# Allegro board zp-dic_pda_8ch_board_v001_166_20241018_1809.brd (continued)
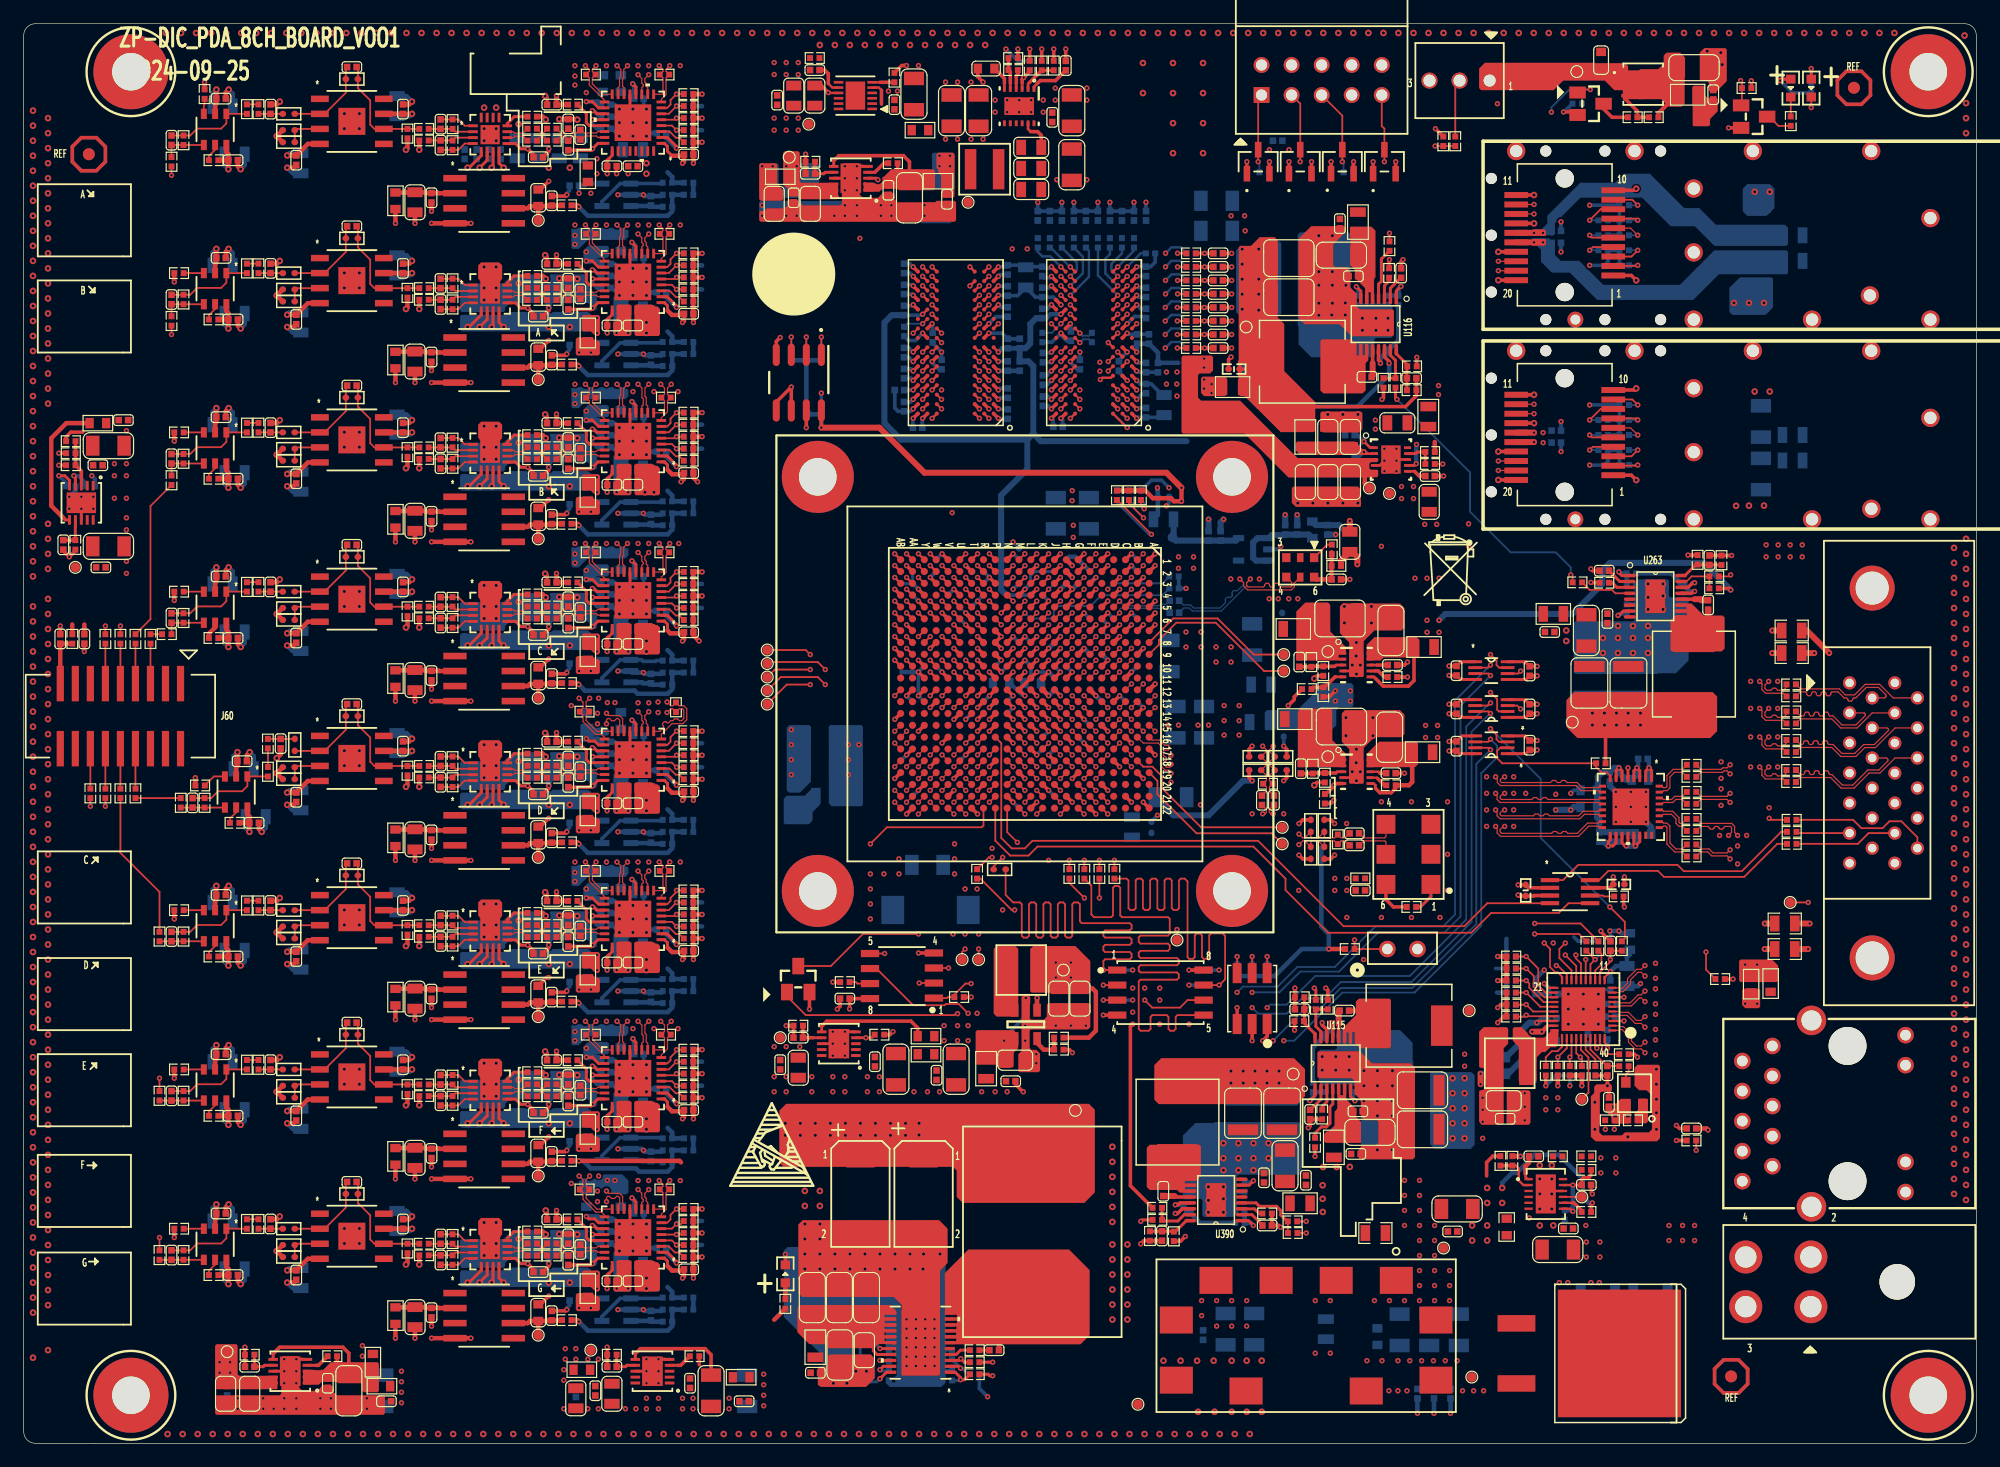
[diagram p0: board, top side]
## Copper pours and planes (outline as drawn; the poured copper is in the pictures) (continued)
GND_EARTH on GND07: 154.22,1.91 160.07,7.75 162.61,7.75 163.75,6.6 163.75,2.41 162.23,0.89 109.9,0.89 108.5,2.29 108.5,7.75 108.89,8.13 110.79,8.13 111.04,7.87 111.04,2.67 111.81,1.91
GND_FPGA_LAN on TOP: 152.45,20.45 152.45,19.05 152.07,18.67 149.4,18.67 149.19,18.88 149.19,34.88 147.24,36.83 147.24,38.35 147.37,38.48 151.56,38.48 152.32,37.72 152.32,35.05 151.68,34.42 151.68,21.21
VCC1V5 on TOP (solid shape): 105.94,101.73 105.96,101.73 105.96,95.17 106.52,94.62 106.52,90.63 109.14,88.01 109.14,85.6 109.01,85.47 106.22,85.47 103.17,88.52 102.79,88.52 102.66,88.65 102.66,90.3 103.3,90.3 103.3,91.31 102.66,91.31 102.66,101.09 102.79,101.22 103.7,101.22 104.44,101.96 105.71,101.96
VCC1V5 on BOTTOM (solid shape): 106.27,101.45 106.27,95.48 106.14,95.35 102.71,95.35 102.46,95.61 102.46,100.84 102.84,101.22 104.57,101.22 104.95,101.6 106.11,101.6
VCC1V5 on ART06: 102.54,101.85 108.12,101.85 108.38,101.6 108.38,85.34 108.12,85.09 103.42,85.09 102.41,86.11 102.41,101.73
VCC1V5_FPGA on TOP (solid shape): 101.65,90.04 101.65,88.65 101.52,88.52 99.74,88.52 99.49,88.77 99.49,90.04 99.61,90.17 101.52,90.17
VCC1V5_FPGA on BOTTOM: 90.98,76.33 91.11,76.45 91.11,77.98 90.85,78.23 86.15,78.23 86.03,78.11 86.03,76.45 86.15,76.33
VCC1V5_FPGA on BOTTOM: 79.42,61.85 80.44,62.87 80.44,68.83 80.31,68.96 77.9,68.96 76.88,69.98 74.09,69.98 73.96,69.85 73.96,66.04 74.09,65.91 75.74,65.91 76.25,66.42 77.64,66.42 77.9,66.17 77.9,63.88 76.25,62.23 76.25,61.98 76.37,61.85
VCC1V5_FPGA on POWR05: 74.09,101.85 102.99,101.85 103.73,101.11 103.73,88.77 96.31,81.36 96.31,70.36 95.93,69.98 77.13,69.98 76.24,69.09 76.24,65.28 75.87,64.9 69.52,64.9 66.98,67.44 66.98,78.74 69.13,80.9 69.13,96.9
VCC1V8 on BOTTOM (solid shape): 122.6,31.12 122.6,25.23 122.27,24.89 119.22,24.89 118.84,25.27 118.84,31.24 118.97,31.37 122.35,31.37
VCC1V8 on BOTTOM (solid shape): 67.28,55.25 67.28,53.98 66.67,53.37 66.67,52.66 66.34,52.32 64.36,52.32 64.23,52.45 64.23,54.48 64.48,54.74 66.01,54.74 66.64,55.37 67.15,55.37
VCC1V8 on BOTTOM (solid shape): 112.36,64.09 112.36,62.36 112.23,62.23 111.17,62.23 110.92,61.98 110.92,60.71 110.54,60.33 105.08,60.33 104.87,60.53 104.87,61.77 105.08,61.98 107.62,61.98 109.9,64.26 112.19,64.26
VCC1V8 on TOP: 118.58,37.21 118.58,25.54 118.59,25.53 118.59,25.01 118.84,24.77 122.22,24.77 122.6,25.15 122.6,37.21 122.09,37.72 119.09,37.72
VCC1V8 on TOP: 118.66,66.55 118.66,68.07 118.28,68.45 118.28,69.72 118.41,69.85 119.81,69.85 119.93,69.72 119.93,66.55 119.81,66.42 118.79,66.42
VCC1V8 on TOP: 118.54,57.66 118.54,59.18 118.16,59.56 118.16,60.83 118.28,60.96 119.68,60.96 119.81,60.83 119.81,57.66 119.68,57.53 118.66,57.53
VCC1V8 on BOTTOM: 106.09,116.97 106.35,117.22 108.38,117.22 108.63,116.97 108.63,109.22 108.5,109.09 106.22,109.09 106.09,109.22
VCC1V8 on BOTTOM: 124.43,32.16 124.43,33.4 124.17,33.66 124.17,37.21 124.43,37.47 124.68,37.47 124.81,37.59 124.81,40.39 124.68,40.51 124.43,40.51 124.3,40.64 124.3,41.4 125.25,42.35 131.05,42.35 132.51,43.82 135.43,43.82 135.81,44.2 135.81,45.34 135.56,45.59 134.92,45.59 134.41,45.09 131.75,45.09 129.97,46.86 127.09,46.86 127.07,46.84 125.88,46.84 124.76,45.72 124.76,44.53 122.47,42.24 122.47,36.28 118.92,32.72 118.92,28.58 119.05,28.45 119.93,28.45 120.57,29.08 122.22,29.08 122.6,29.46 122.6,31.37 123.24,32 124.27,32
VCC1V8 on BOTTOM: 64.69,44.07 64.69,50.29 67.36,52.96 67.36,55.37 67.23,55.5 66.59,55.5 65.83,54.74 61.26,54.74 61.01,54.48 61.01,40.77 69.39,32.39 69.64,32.39 71.67,30.35 98.09,30.35 98.73,30.99 98.73,41.02 98.47,41.28 93.39,41.28 93.26,41.15 93.26,36.45 91.23,34.42 82.72,34.42 82.22,34.93 82.22,36.83 80.95,38.1 70.66,38.1
VCC1V8 on POWR05: 105.58,117.73 104.82,116.97 104.82,88.27 97.46,80.9 97.46,46.36 92.63,41.53 92.63,34.8 93.52,33.91 108.5,33.91 117.27,25.15 122.09,25.15 122.09,83.44 118.79,86.74 118.79,108.59 125.01,114.81 146.22,114.81 146.48,115.06 146.48,117.48 146.22,117.73
VCC1V8_A on BOTTOM (solid shape): 50.57,22.73 50.59,22.73 50.61,22.72 51.09,22.24 51.1,22.22 51.1,22.2 51.1,21.23 51.1,21.21 51.09,21.19 50.99,21.1 50.97,21.09 50.95,21.08 49.74,21.08 49.71,21.09 49.7,21.1 49.64,21.18 49.64,21.2 49.64,21.21 49.42,21.69 48.92,21.56 48.91,21.55 48.89,21.54 48.79,21.54 48.76,21.54 48.76,21.55 48.31,21.63 48.15,21.21 48.15,21.2 48.15,21.18 48.09,21.1 48.07,21.09 48.05,21.08 47.06,21.08 47.04,21.09 47.02,21.1 46.92,21.19 46.91,21.21 46.91,21.23 46.91,22.12 46.91,22.13 46.92,22.15 46.96,22.18 46.98,22.19 47.16,22.25 47.29,22.4 47.31,22.41 47.34,22.42 47.43,22.42 47.45,22.41 47.47,22.4 47.8,22.19 48.16,22.36 48.16,22.37 48.18,22.38 48.29,22.38 48.31,22.37 48.32,22.36 48.72,22.26 48.94,22.62 48.95,22.65 49.01,22.72 49.02,22.73 49.04,22.73
VCC1V8_A on TOP: 66.21,33.78 64.56,33.78 64.44,33.91 64.44,34.8 64.31,34.93 63.29,34.93 63.17,34.8 63.17,32.26 63.29,32.13 67.74,32.13 67.86,32.26 67.86,33.27 67.74,33.4 66.59,33.4
VCC1V8_A on BOTTOM: 66.09,32.13 63.17,32.13 63.04,32.26 63.04,33.66 63.17,33.78 66.09,33.78 66.21,33.66 66.21,32.26
VCC1V8_A on BOTTOM: 50.97,61.47 51.1,61.6 51.1,62.61 50.59,63.12 47.42,63.12 46.91,62.61 46.91,61.6 47.04,61.47
VCC1V8_A on BOTTOM: 50.97,116.21 46.4,116.21 46.27,116.08 46.27,114.55 46.4,114.43 46.91,114.43 47.67,115.19 50.85,115.19 51.1,115.44 51.1,116.08
VCC1V8_A on ART08: 47.16,116.33 44.62,116.33 44.5,116.21 44.5,22.1 44.75,21.84 51.23,21.84 51.48,22.1 51.48,30.99 52.37,31.88 66.47,31.88 66.72,32.13 66.72,36.45 66.47,36.7 52.12,36.7 51.48,37.34 51.48,97.92 47.29,102.11 47.29,116.21
VCC1V8_FPGA on BOTTOM (solid shape): 70.91,60.58 70.91,53.98 70.79,53.85 68.29,53.85 68.04,54.1 68.04,60.58 68.17,60.71 70.79,60.71
VCC1V8_FPGA on ART06: 69.01,63.12 69.01,53.09 70.43,51.66 92.4,51.66 93.01,52.27 93.01,56.46 92.55,56.92 88.03,56.92 86.13,58.83 80.79,58.83 80.36,59.26 80.36,63.3 80.08,63.58 80.08,65.68 80.29,65.89 80.29,68 81.3,69.01 81.3,69.44 81.43,69.57 82.47,69.57 82.93,69.11 82.93,68.61 83.13,68.4 88.03,68.4 88.39,68.76 88.39,70.76 88.36,70.79 88.36,71.7 88.06,72.01 83.94,72.01 83.74,72.21 79.22,72.21 79.18,72.17 77.78,72.17 77.57,71.96 77.21,71.96 76.81,71.55 76.81,70.08 76.7,69.98 75.48,69.98 74.93,69.42 74.93,65.71 74.29,65.07 70.96,65.07
VCC2V5 on TOP (solid shape): 90.14,40.77 90.14,38.1 90.01,37.97 86.83,37.97 86.71,38.1 85.18,38.1 85.06,38.23 85.06,41.78 85.31,42.04 88.87,42.04
VCC2V5 on BOTTOM: 85.14,39.12 84.63,39.62 84.63,48.13 88.18,51.69 94.15,51.69 94.41,51.94 99.74,51.94 106.22,58.42 109.9,58.42 112.82,61.34 112.82,64.39 112.44,64.77 108,64.77 106.6,63.37 104.95,63.37 104.82,63.5 104.82,64.9 105.71,65.79 105.71,69.22 106.09,69.6 107.23,69.6 108.38,70.74 115.62,70.74 115.87,70.49 115.87,55.63 110.28,50.04 100.76,50.04 99.74,49.02 94.79,49.02 90.09,44.32 90.09,39.5 89.71,39.12
VCC2V5_AMP on BOTTOM: 17.57,4.57 16.3,4.57 16.18,4.7 16.18,6.99 16.3,7.11 17.57,7.11 17.7,6.99 17.7,4.7
VCC2V5_AMP on ART08: 19.6,6.1 19.6,110.24 19.35,110.49 11.73,110.49 11.48,110.24 11.48,5.97 11.73,5.72 19.22,5.72
VCC2V5_FPGA on BOTTOM: 72.12,52.51 71.8,52.83 71.8,61.34 72.06,61.6 77.64,61.6 78.15,61.09 86.28,61.09 86.28,62.23 87.68,63.63 87.68,64.01 89.2,65.53 93.54,65.53 93.93,65.15 94.41,65.15 95.04,65.79 98.39,65.79 100.17,67.56 100.17,67.61 100.25,67.69 104.57,67.69 104.82,67.44 104.82,66.04 104.06,65.28 104.06,63.5 103.93,63.37 96.19,63.37 95.93,63.12 95.93,59.94 96.31,59.56 96.31,53.72 96.06,53.47 95.17,53.47 94.53,52.83 94.53,52.77 94.28,52.51 ; 1 cut-out
VCC2V5_FPGA on ART06: 100.25,67.95 102.41,67.95 102.66,67.69 102.66,64.01 101.9,63.25 91.36,63.25 90.98,62.87 90.47,62.87 88.82,64.52 88.82,67.69 89.07,67.95 91.74,67.95 92.12,68.33 93.01,68.33 93.39,67.95 96.06,67.95 96.19,67.82 96.19,66.93 96.44,66.68 99.74,66.68 100.12,67.06 100.12,67.82
VCC3V3 on TOP (solid shape): 143.1,63.12 143.1,60.2 142.51,59.61 131.29,59.61 130.36,60.54 130.36,62.83 131.03,63.5 142.72,63.5
VCC3V3 on BOTTOM (solid shape): 137.13,63.5 137.13,60.07 136.88,59.82 131.46,59.82 131.16,60.12 131.16,61.65 130.65,62.15 130.65,63.25 131.03,63.63 137,63.63
VCC3V3 on TOP: 118,88.79 118,87.42 118.18,87.25 119.66,87.25 119.81,87.4 119.81,89.54 119.68,89.66 118.41,89.66 118.28,89.54 118.28,89.07
VCC3V3 on TOP: 76.5,33.4 76.5,31.37 76.63,31.24 77.52,31.24 77.64,31.37 77.64,32.13 77.9,32.39 79.93,32.39 80.06,32.51 80.06,35.43 79.93,35.56 78.53,35.56 78.41,35.43 78.41,34.04 77.9,33.53 76.63,33.53
VCC3V3 on TOP: 80.44,31.24 80.31,31.12 80.31,29.46 80.44,29.34 83.23,29.34 83.36,29.46 83.36,31.12 83.23,31.24
VCC3V3 on TOP: 30.02,8.13 30.02,7.24 29.89,7.11 28.37,7.11 28.24,7.24 28.24,8.38 28.37,8.51 29.64,8.51
VCC3V3 on TOP: 133.9,27.56 133.78,27.69 133.27,27.69 133.27,26.54 133.52,26.29 134.67,26.29 134.79,26.42 134.79,26.67 134.67,26.8 134.03,26.8 133.9,26.92
VCC3V3 on TOP: 110.66,48.13 110.54,48.01 110.54,47.5 110.66,47.37 112.7,47.37 112.82,47.5 112.82,48.01 112.7,48.13
VCC3V3 on BOTTOM: 150.29,103.38 154.61,103.38 155.88,102.11 155.88,76.96 151.81,72.9 147.24,72.9 146.99,73.15 146.99,76.96 150.03,80.01 150.03,103.12
VCC3V3 on BOTTOM: 110.28,48.26 111.93,48.26 117.01,53.34 117.01,72.77 116.12,73.66 112.7,73.66 112.19,74.17 112.19,78.36 112.44,78.61 117.39,78.61 119.17,76.84 119.17,69.6 119.68,69.09 127.81,69.09 129.97,66.93 129.97,64.64 130.98,63.63 136.95,63.63 137.08,63.5 137.08,60.07 136.83,59.82 129.21,59.82 125.27,63.75 125.27,65.53 124.63,66.17 120.06,66.17 119.68,65.79 119.68,52.71 114.09,47.12 110.28,47.12 110.16,47.24 110.16,48.13
VCC3V3 on POWR05: 152.32,76.58 146.14,70.4 146.14,47.86 141.52,43.24 141.52,25.78 141.02,25.27 139.24,25.27 138.98,25.53 123.11,25.53 122.73,25.91 122.73,83.95 119.3,87.38 119.3,108.08 121.59,110.36 147.37,110.36 148,111 148,115.44 148.26,115.7 151.68,115.7 152.32,115.06
VCC3V3 on ART06: 134.92,35.56 65.45,35.56 62.02,32.13 62.02,9.78 60.12,7.87 50.21,7.87 47.8,5.46 31.8,5.46 28.75,8.51 28.37,8.51 28.11,8.26 28.11,3.05 28.75,2.41 64.44,2.41 65.32,3.3 65.32,28.07 66.28,29.02 72.75,29.02 72.82,28.96 119.93,28.96 123.36,25.53 134.79,25.53 135.17,25.91 135.17,35.31
VCC5V5 on TOP (solid shape): 108.28,31.63 108.28,29.35 107.6,28.67 95.92,28.67 95.54,29.05 95.54,31.97 96.12,32.56 107.35,32.56
VCC5V5 on BOTTOM (solid shape): 107.47,32.05 107.47,30.53 107.98,30.02 107.98,28.93 107.6,28.54 101.63,28.54 101.51,28.67 101.51,32.1 101.76,32.35 107.17,32.35
VCC5V5 on TOP: 30.65,5.33 31.54,5.33 31.67,5.46 31.67,6.22 31.8,6.35 32.18,6.35 32.3,6.22 32.3,3.18 32.18,3.05 30.91,3.05 30.78,3.18 30.78,4.06 30.53,4.32 30.53,5.21
VCC5V5 on TOP: 60.88,4.45 61.01,4.32 61.01,2.79 61.13,2.67 62.66,2.67 62.78,2.79 62.78,5.97 62.53,6.22 61.01,6.22 60.88,6.1
VCC5V5 on TOP: 76.5,35.43 76.63,35.56 77.9,35.56 78.02,35.43 78.02,33.91 77.77,33.66 76.63,33.66 76.5,33.78
VCC5V5 on BOTTOM: 60.24,5.21 62.02,5.21 62.28,4.95 62.28,2.79 62.4,2.67 62.91,2.67 63.04,2.79 63.04,6.22 62.91,6.35 60.24,6.35 60.12,6.22 60.12,5.33
VCC5V5 on BOTTOM: 29.51,5.21 31.42,5.21 31.67,4.95 31.67,3.18 31.8,3.05 32.3,3.05 32.43,3.18 32.43,6.6 32.3,6.73 29.51,6.73 29.38,6.6 29.38,5.33
VCC5V5 on POWR05: 32.56,6.48 31.67,6.48 31.16,5.97 31.16,2.03 31.67,1.52 62.4,1.52 63.04,2.16 63.04,16.26 63.42,16.64 100.25,16.64 106.6,22.99 106.6,31.62 106.22,32 93.39,32 93.01,31.62 93.01,24.77 92.25,24 61.83,24 60.94,24.89 60.94,32.45 60.88,32.51 60.88,104.14 63.67,106.93 78.66,106.93 79.04,107.32 79.04,109.98 78.79,110.24 57.32,110.24 56.43,109.35 56.43,5.33 55.8,4.7 34.34,4.7
VCC5V5 on ART08: 107.36,32.39 79.42,32.39 78.28,33.53 78.28,35.81 78.02,36.07 76.63,36.07 76.63,31.62 78.41,29.85 107.23,29.85 107.62,30.23 107.62,32.13
VCC5V_A on TOP (solid shape): 65.43,109.22 65.45,109.22 65.47,109.21 65.56,109.11 65.58,109.09 65.58,109.07 65.58,106.7 65.58,106.68 65.59,106.67 65.69,106.57 65.71,106.56 65.73,106.55 68.43,106.55 68.45,106.55 68.77,106.55 68.8,106.54 68.82,106.5 68.82,105.54 68.83,105.5 68.87,105.49 68.88,105.49 68.88,105.3 68.88,105.28 68.87,105.27 68.77,105.17 68.75,105.16 68.73,105.16 65.73,105.16 65.71,105.16 65.69,105.17 65.57,105.29 65.56,105.31 65.55,105.34 65.52,105.37 65.5,105.37 65.45,105.41 65.43,105.41 64.71,105.41 64.69,105.41 64.68,105.42 64.58,105.52 64.57,105.54 64.56,105.56 64.56,106.02 64.56,106.04 64.55,106.06 64.2,106.41 64.19,106.43 64.18,106.45 64.18,109.07 64.19,109.09 64.2,109.11 64.29,109.21 64.31,109.22 64.33,109.22
VCC5V_A on TOP: 46.66,105.54 46.78,105.41 48.56,105.41 48.69,105.54 48.69,106.55 48.56,106.68 48.31,106.68 48.05,106.93 46.78,106.93 46.66,106.81
VCC5V_A on ART03: 66.09,109.6 64.44,109.6 64.18,109.35 64.18,107.19 63.17,106.17 45,106.17 43.61,104.78 43.61,10.92 43.86,10.67 48.81,10.67 49.07,10.92 49.07,18.03 48.81,18.29 47.93,18.29 46.02,20.19 46.02,23.24 46.66,23.88 48.31,23.88 48.94,24.51 48.94,30.61 48.43,31.12 47.16,31.12 46.4,31.88 46.4,35.94 46.91,36.45 48.56,36.45 48.94,36.83 48.94,47.63 48.69,47.88 47.04,47.88 46.66,48.26 46.66,50.8 47.42,51.56 48.69,51.56 48.94,51.82 48.94,59.69 47.67,60.96 46.53,60.96 46.4,61.09 46.4,62.99 47.04,63.63 48.69,63.63 48.94,63.88 48.94,74.17 48.69,74.42 46.66,74.42 46.53,74.55 46.53,76.45 48.94,78.87 48.94,87.76 48.56,88.14 46.66,88.14 46.53,88.27 46.53,89.79 48.94,92.2 48.94,99.19 52.75,103 65.71,103 66.34,103.63 66.34,109.35
VCC5V_ADA4945 on TOP: 45.51,4.19 46.91,4.19 47.04,4.32 47.04,5.08 46.91,5.21 46.91,8.26 46.78,8.38 45.77,8.38 45.39,8 45.39,4.32
VCC5V_ADA4945 on BOTTOM: 45.51,4.45 45.39,4.57 45.39,8 45.64,8.26 46.91,8.26 47.04,8.13 47.04,4.57 46.91,4.45
VCC5V_ADA4945 on BOTTOM: 47.8,109.09 40.94,109.09 40.69,108.84 37,108.84 36.88,108.71 36.88,107.57 37,107.44 47.67,107.44 47.93,107.7 47.93,108.97
VCC5V_ADA4945 on POWR05: 46.78,112.52 43.23,112.52 41.83,111.13 41.83,5.59 42.21,5.21 46.27,5.21 47.04,5.97 47.04,112.27
VCC5V_AMP on TOP: 52.12,5.72 48.94,5.72 48.81,5.84 48.81,8.26 48.69,8.38 47.42,8.38 47.29,8.26 47.29,5.72 47.8,5.21 47.8,4.7 47.93,4.57 51.99,4.57 52.12,4.7
VCC5V_AMP on BOTTOM: 50.34,4.45 47.54,4.45 47.42,4.57 47.42,7.24 47.54,7.37 50.34,7.37 50.47,7.24 50.47,4.57
VCC5V_AMP on ART08: 32.56,8.64 32.56,112.65 32.69,112.78 35.61,112.78 35.73,112.65 35.73,12.32 38.02,10.03 48.81,10.03 49.07,9.78 49.07,6.99 48.81,6.73 34.46,6.73
VCC5V_VREF on ART03: 32.05,8.64 32.05,106.05 32.69,106.68 62.91,106.68 63.8,107.57 63.8,109.73 63.67,109.86 30.15,109.86 29.64,109.35 29.64,8.64 29.89,8.38 31.8,8.38
VCC10V on TOP: 6.27,78.49 5.25,78.49 5.13,78.36 5.13,77.09 5,76.96 5,75.18 4.49,74.68 3.98,74.68 3.86,74.55 3.86,69.09 3.98,68.96 6.14,68.96 6.4,69.22 6.4,78.36
VCC12V on TOP (solid shape): 142.07,114.69 142.07,113.93 142.26,113.74 143.02,113.74 143.15,113.61 143.15,112.6 142.52,111.96 142.52,111.87 142.49,111.71 142.52,111.54 142.52,111.46 142.39,111.33 141.12,111.33 141.03,111.42 141.03,113.07 140.99,113.11 140.99,114.63 141.12,114.76 142.01,114.76
VCC12V on TOP: outline of 92 points within 6.27,1.52 143.18,118.49
VCC12V on TOP: 112.31,24.77 109.65,24.77 109.52,24.64 109.52,23.11 109.65,22.99 112.31,22.99 112.44,23.11 112.44,23.9 112.39,23.95 112.39,24.69
VCC12V on TOP: 110.03,22.1 108.38,22.1 108.25,21.97 108.25,19.3 108.38,19.18 110.03,19.18 110.16,19.3 110.16,21.97
VCC12V on BOTTOM: 105.08,8.89 100.5,8.89 100.38,9.02 97.07,9.02 96.06,8 96.06,3.18 96.82,2.41 104.82,2.41 105.2,2.79 105.2,8.76
VCC12V on ART03: 105.33,2.03 96.06,2.03 95.68,2.41 95.68,14.48 105.33,24.13 112.31,24.13 112.44,24 112.44,23.11 110.16,20.83 110.16,17.27 109.52,16.64 104.19,16.64 103.68,16.13 103.68,12.45 104.19,11.94 104.69,11.94 105.96,10.67 105.96,2.67
VCC12V_FAN on TOP (solid shape): 132.81,116.66 135.32,116.66 135.58,116.41 135.58,114.5 135.45,114.38 134.41,114.38 133.6,115.19 130.09,115.19 129.28,114.38 123.16,114.38 122.98,114.55 122.98,116.21 123.48,116.7 132.78,116.7
VCC12V_IN on TOP: 121,22.99 125.82,22.99 126.08,22.73 126.08,21.82 126.37,21.53 127.46,21.53 127.5,21.49 127.5,21.44 127.53,21.41 127.53,21.26 127.5,21.23 126.28,21.23 124.17,19.13 124.17,8.26 124.53,7.9 127.7,7.9 127.98,7.62 127.98,3.22 127.63,2.87 111.88,2.87 111.68,3.07 111.68,6.63 112.95,7.9 120.52,7.9 121.25,8.64 121.25,15.62 120.74,16.13 120.74,22.73
VCC12V_IN on BOTTOM: 112.87,8.76 112.87,4.45 113.12,4.19 116.89,4.19 117.14,4.45 121.08,4.45 121.33,4.19 125.78,4.19 126.46,4.87 126.46,21.84 126.08,22.23 122.01,22.23 121.51,21.72 121.51,16.51 122.9,15.11 122.9,9.4 122.39,8.89 113,8.89
VCC12V_IN_CON on TOP: 130.7,18.64 130.7,17.53 130.32,17.15 130.32,15.65 130.48,15.49 139.75,15.49 140.89,14.35 140.89,11.68 142.67,9.91 152.07,9.91 152.95,10.8 152.95,12.7 152.45,13.21 144.32,13.21 143.3,14.22 143.3,17.63 135.91,25.02 132.38,25.02 132.13,24.77 132.13,23.88 132.25,23.75 133.02,23.75 133.14,23.62 133.14,18.92 133.02,18.8 130.86,18.8
VCC12V_IN_CON on BOTTOM: 138.35,11.43 138.1,11.68 138.1,14.73 137.71,15.11 127.09,15.11 126.84,15.37 126.84,19.05 127.09,19.3 129.76,19.3 130.01,19.05 131.54,19.05 132.3,19.81 132.3,24.64 132.68,25.02 135.94,25.02 143.3,17.65 143.3,14.22 144.32,13.21 152.45,13.21 152.95,12.7 152.95,10.8 152.07,9.91 142.67,9.91 141.14,11.43
VCC-2V5_AMP on TOP: 67.74,113.54 64.44,113.54 64.31,113.41 63.17,113.41 63.04,113.28 63.04,110.62 63.17,110.49 69.13,110.49 69.26,110.62 69.26,113.79 69.13,113.92 68.12,113.92
VCC-2V5_AMP on ART03: 23.03,14.35 23.92,15.24 23.92,110.11 24.43,110.62 66.09,110.62 66.34,110.87 66.34,116.97 65.83,117.48 16.56,117.48 14.65,115.57 14.65,14.86 15.16,14.35
VCC-3V_A on TOP: 82.98,111.38 82.98,111.76 82.85,111.89 76.37,111.89 75.99,111.51 75.99,109.98 76.12,109.86 78.53,109.86 78.66,109.73 78.66,104.52 78.91,104.27 80.44,104.27 80.56,104.39 80.56,108.97
VCC-3V_A on BOTTOM: 77.52,111.89 77.39,111.76 77.39,109.98 77.52,109.86 81.45,109.86 81.58,109.98 81.58,111.76 81.45,111.89
VCCAUX on BOTTOM: 101.44,62.87 103.98,62.87 104.23,62.61 104.23,59.69 103.75,59.21 101.52,59.21 101.14,59.59 101.14,61.09 101.01,61.21 96.31,61.21 96.19,61.34 96.19,62.99 96.31,63.12 101.19,63.12
VCCAUX on ART06: 103.09,62.23 102.46,62.87 90.22,62.87 88.44,64.64 88.44,68.07 88.31,68.2 83.08,68.2 82.77,68.5 82.77,69.11 82.47,69.42 81.48,69.42 81.35,69.29 81.35,68.33 80.36,67.34 80.36,65.53 80.32,65.49 80.32,63.74 80.62,63.45 80.62,59.61 81.17,59.06 86.53,59.06 88.44,57.15 102.66,57.15 103.09,57.58
VCCINT_FPGA on BOTTOM: 71.29,43.69 70.91,44.07 70.91,49.78 71.04,49.91 75.48,49.91 75.61,49.78 75.61,48.13 74.34,46.86 74.34,43.94 74.09,43.69
VCCINT_FPGA on POWR05: 61.82,64.18 62.15,64.52 76.25,64.52 76.63,64.9 76.63,69.12 77.24,69.72 91.11,69.72 91.49,69.34 91.49,25.78 91.23,25.53 65.86,25.53 65.85,25.51 65.83,25.53 62.02,25.53 61.82,25.73
(no net) on TOP: 51.35,15.37 51.23,15.49 50.21,15.49 50.08,15.37 50.08,14.15 49.83,13.89 49.83,12.95 49.96,12.83 51.23,12.83 51.35,12.95
(no net) on TOP: 40.43,99.57 40.43,98.43 40.25,98.25 40.25,96.44 40.18,96.37 38.65,96.37 38.58,96.44 38.58,98.24 38.58,98.27 38.4,98.45 38.4,99.57 38.65,99.82 40.18,99.82
(no net) on TOP: 78.83,20.83 79.34,20.32 89.63,20.32 90.52,21.21 90.52,28.19 90.01,28.7 64.44,28.7 63.85,28.11 63.85,23.75 64.23,23.37 78.53,23.37 78.83,23.07
(no net) on TOP: 40.43,86.11 40.43,84.96 40.25,84.78 40.25,82.98 40.18,82.91 38.65,82.91 38.58,82.98 38.58,84.77 38.58,84.81 38.4,84.99 38.4,86.11 38.65,86.36 40.18,86.36
(no net) on TOP: 51.61,28.83 51.61,26.42 51.74,26.29 53.64,26.29 53.77,26.42 53.77,28.58 53.56,28.78 53.27,28.78 53.1,28.96 51.74,28.96
(no net) on TOP: 46.66,78.61 46.78,78.49 48.56,78.49 48.69,78.61 48.69,79.63 48.56,79.76 48.31,79.76 48.05,80.01 46.78,80.01 46.66,79.88
(no net) on TOP: 21.51,5.72 18.21,5.72 18.08,5.84 18.08,8.26 17.95,8.38 16.3,8.38 16.18,8.26 16.18,4.7 16.3,4.57 21.38,4.57 21.51,4.7
(no net) on TOP: 51.61,96.14 51.61,93.73 51.74,93.6 53.64,93.6 53.77,93.73 53.77,95.89 53.56,96.09 53.27,96.09 53.1,96.27 51.74,96.27
(no net) on TOP: 46.66,65.15 46.78,65.02 48.56,65.02 48.69,65.15 48.69,66.17 48.56,66.29 48.31,66.29 48.05,66.55 46.78,66.55 46.66,66.42
(no net) on TOP: 47.16,68.33 47.29,68.45 48.56,68.45 48.69,68.33 48.69,66.8 48.56,66.68 48.31,66.68 47.93,67.06 47.29,67.06 47.16,67.18
(no net) on TOP: 51.35,96.14 51.23,96.27 50.21,96.27 50.08,96.14 50.08,94.92 49.83,94.67 49.83,93.73 49.96,93.6 51.23,93.6 51.35,93.73
(no net) on TOP: 46.66,11.3 46.78,11.18 48.56,11.18 48.69,11.3 48.69,12.32 48.56,12.45 48.31,12.45 48.05,12.7 46.78,12.7 46.66,12.57
(no net) on TOP: 47.16,95.25 47.29,95.38 48.56,95.38 48.69,95.25 48.69,93.73 48.56,93.6 48.31,93.6 47.93,93.98 47.29,93.98 47.16,94.11
(no net) on TOP: 46.66,92.08 46.78,91.95 48.56,91.95 48.69,92.08 48.69,93.09 48.56,93.22 48.31,93.22 48.05,93.47 46.78,93.47 46.66,93.35
(no net) on TOP: 68.88,106.55 65.71,106.55 65.58,106.68 65.58,109.09 65.45,109.22 64.31,109.22 64.18,109.09 64.18,106.43 64.56,106.05 64.56,105.54 64.69,105.41 65.45,105.41 65.71,105.16 68.75,105.16 68.88,105.28
(no net) on TOP: 65.78,12.38 73.51,12.38 74.19,11.7 74.19,5.79 74.26,5.72 77.28,5.72 77.44,5.87 77.44,14.61 78.07,15.24 78.07,18.15 77.36,18.87 65.83,18.87 65.45,18.5 65.45,12.7
(no net) on TOP: 78.66,108.97 78.53,109.09 77.26,109.09 77.14,108.97 77.14,107.57 77.52,107.19 77.52,105.41 77.64,105.28 78.53,105.28 78.66,105.41
(no net) on TOP: 51.61,55.75 51.61,53.34 51.74,53.21 53.64,53.21 53.77,53.34 53.77,55.5 53.56,55.7 53.27,55.7 53.1,55.88 51.74,55.88
(no net) on TOP: 138.27,31.88 138.14,32 136.36,32 136.11,31.75 136.11,30.23 136.49,29.85 137.13,29.85 137.59,29.38 137.59,26.54 137.33,26.29 135.3,26.29 135.05,26.04 133.4,26.04 133.14,26.29 133.14,26.92 133.19,26.97 133.19,29.59 133.32,29.72 134.08,29.72 134.21,29.85 134.21,30.23 134.08,30.35 132.91,30.35 132.71,30.15 132.71,29.62 132.43,29.34 132.43,25.91 132.73,25.6 132.76,25.6 132.84,25.53 138.02,25.53 138.27,25.78
(no net) on TOP: 46.66,51.69 46.78,51.56 48.56,51.56 48.69,51.69 48.69,52.71 48.56,52.83 48.31,52.83 48.05,53.09 46.78,53.09 46.66,52.96
(no net) on TOP: 51.35,28.83 51.23,28.96 50.21,28.96 50.08,28.83 50.08,27.61 49.83,27.36 49.83,26.42 49.96,26.29 51.23,26.29 51.35,26.42
(no net) on TOP: 23.54,6.1 23.54,5.08 23.67,4.95 24.94,4.95 25.19,5.21 26.46,5.21 26.59,5.08 28.49,5.08 28.62,4.95 28.62,4.45 28.75,4.32 29.89,4.32 30.02,4.45 30.02,6.73 29.89,6.86 25.95,6.86 25.32,6.22 23.67,6.22
(no net) on TOP: 46.66,24.77 46.78,24.64 48.56,24.64 48.69,24.77 48.69,25.78 48.56,25.91 48.31,25.91 48.05,26.16 46.78,26.16 46.66,26.04
(no net) on TOP: 127.32,29.69 127.17,29.85 125.4,29.85 125.27,29.72 125.27,27.05 125.4,26.92 127.17,26.92 127.32,27.07
(no net) on TOP: 65.64,11.7 73.23,11.7 73.73,11.2 73.73,10.88 72.78,10.88 72.73,10.83 72.73,10.7 72.78,10.65 73.73,10.65 73.73,10.38 72.82,10.38 72.77,10.33 72.77,10.21 72.82,10.16 73.73,10.16 73.73,9.87 72.78,9.87 72.73,9.82 72.73,9.7 72.78,9.65 73.73,9.65 73.73,9.38 72.78,9.38 72.73,9.32 72.73,9.2 72.78,9.15 73.73,9.15 73.73,8.87 72.79,8.87 72.74,8.82 72.74,8.69 72.79,8.64 73.73,8.64 73.73,8.63 73.75,8.61 73.75,8.43 73.71,8.38 72.24,8.38 71.9,8.04 68.01,8.04 67.67,8.38 66.39,8.38 65.37,9.4 65.37,11.43
(no net) on TOP: 46.66,38.23 46.78,38.1 48.56,38.1 48.69,38.23 48.69,39.24 48.56,39.37 48.31,39.37 48.05,39.62 46.78,39.62 46.66,39.5
(no net) on TOP: 51.35,82.68 51.23,82.8 50.21,82.8 50.08,82.68 50.08,81.46 49.83,81.2 49.83,80.26 49.96,80.14 51.23,80.14 51.35,80.26
(no net) on TOP: 40.43,72.64 40.43,71.5 40.25,71.32 40.25,69.52 40.18,69.44 38.65,69.44 38.58,69.52 38.58,71.31 38.58,71.35 38.4,71.53 38.4,72.64 38.65,72.9 40.18,72.9
(no net) on TOP: 51.61,15.37 51.61,12.95 51.74,12.83 53.64,12.83 53.77,12.95 53.77,15.11 53.56,15.32 53.27,15.32 53.1,15.49 51.74,15.49
(no net) on TOP: 47.16,54.86 47.29,54.99 48.56,54.99 48.69,54.86 48.69,53.34 48.56,53.21 48.31,53.21 47.93,53.59 47.29,53.59 47.16,53.72
(no net) on TOP: 51.61,82.68 51.61,80.26 51.74,80.14 53.64,80.14 53.77,80.26 53.77,82.42 53.56,82.63 53.27,82.63 53.1,82.8 51.74,82.8
(no net) on TOP: 51.61,42.29 51.61,39.88 51.74,39.75 53.64,39.75 53.77,39.88 53.77,42.04 53.56,42.24 53.27,42.24 53.1,42.42 51.74,42.42
(no net) on TOP: 40.43,59.18 40.43,58.04 40.25,57.86 40.25,56.06 40.18,55.98 38.65,55.98 38.58,56.06 38.58,57.85 38.58,57.89 38.4,58.06 38.4,59.18 38.65,59.44 40.18,59.44
(no net) on TOP: 136.47,29.13 137.13,29.13 137.25,29.01 137.25,27.2 137.1,27.05 136.24,27.05 136.14,27.15 136.14,27.91 136.42,28.19 136.42,29.08
(no net) on TOP: 51.35,42.29 51.23,42.42 50.21,42.42 50.08,42.29 50.08,41.07 49.83,40.82 49.83,39.88 49.96,39.75 51.23,39.75 51.35,39.88
(no net) on TOP: 51.35,69.22 51.23,69.34 50.21,69.34 50.08,69.22 50.08,68 49.83,67.74 49.83,66.8 49.96,66.68 51.23,66.68 51.35,66.8
(no net) on TOP: 40.43,45.72 40.43,44.58 40.25,44.4 40.25,42.6 40.18,42.52 38.65,42.52 38.58,42.6 38.58,44.39 38.58,44.42 38.4,44.6 38.4,45.72 38.65,45.97 40.18,45.97
(no net) on TOP: 21.76,4.19 21.76,7.24 21.89,7.37 23.16,7.37 23.29,7.24 23.29,4.7 23.54,4.45 24.81,4.45 25.32,4.95 25.95,4.95 26.21,4.7 26.21,4.32 26.46,4.06 30.4,4.06 30.53,3.94 30.53,2.54 30.4,2.41 16.3,2.41 16.18,2.54 16.18,3.94 16.3,4.06 21.64,4.06
(no net) on TOP: 135.65,27.03 134.33,27.03 134.21,27.15 134.21,27.53 133.67,28.07 133.67,28.68 133.72,28.73 134.56,28.73 134.94,29.11 135.65,29.11 135.81,28.96 135.81,27.18 ; 3 cut-outs
